# Altium PCB 400501.PcbDoc (part 1 of 4) (continued)
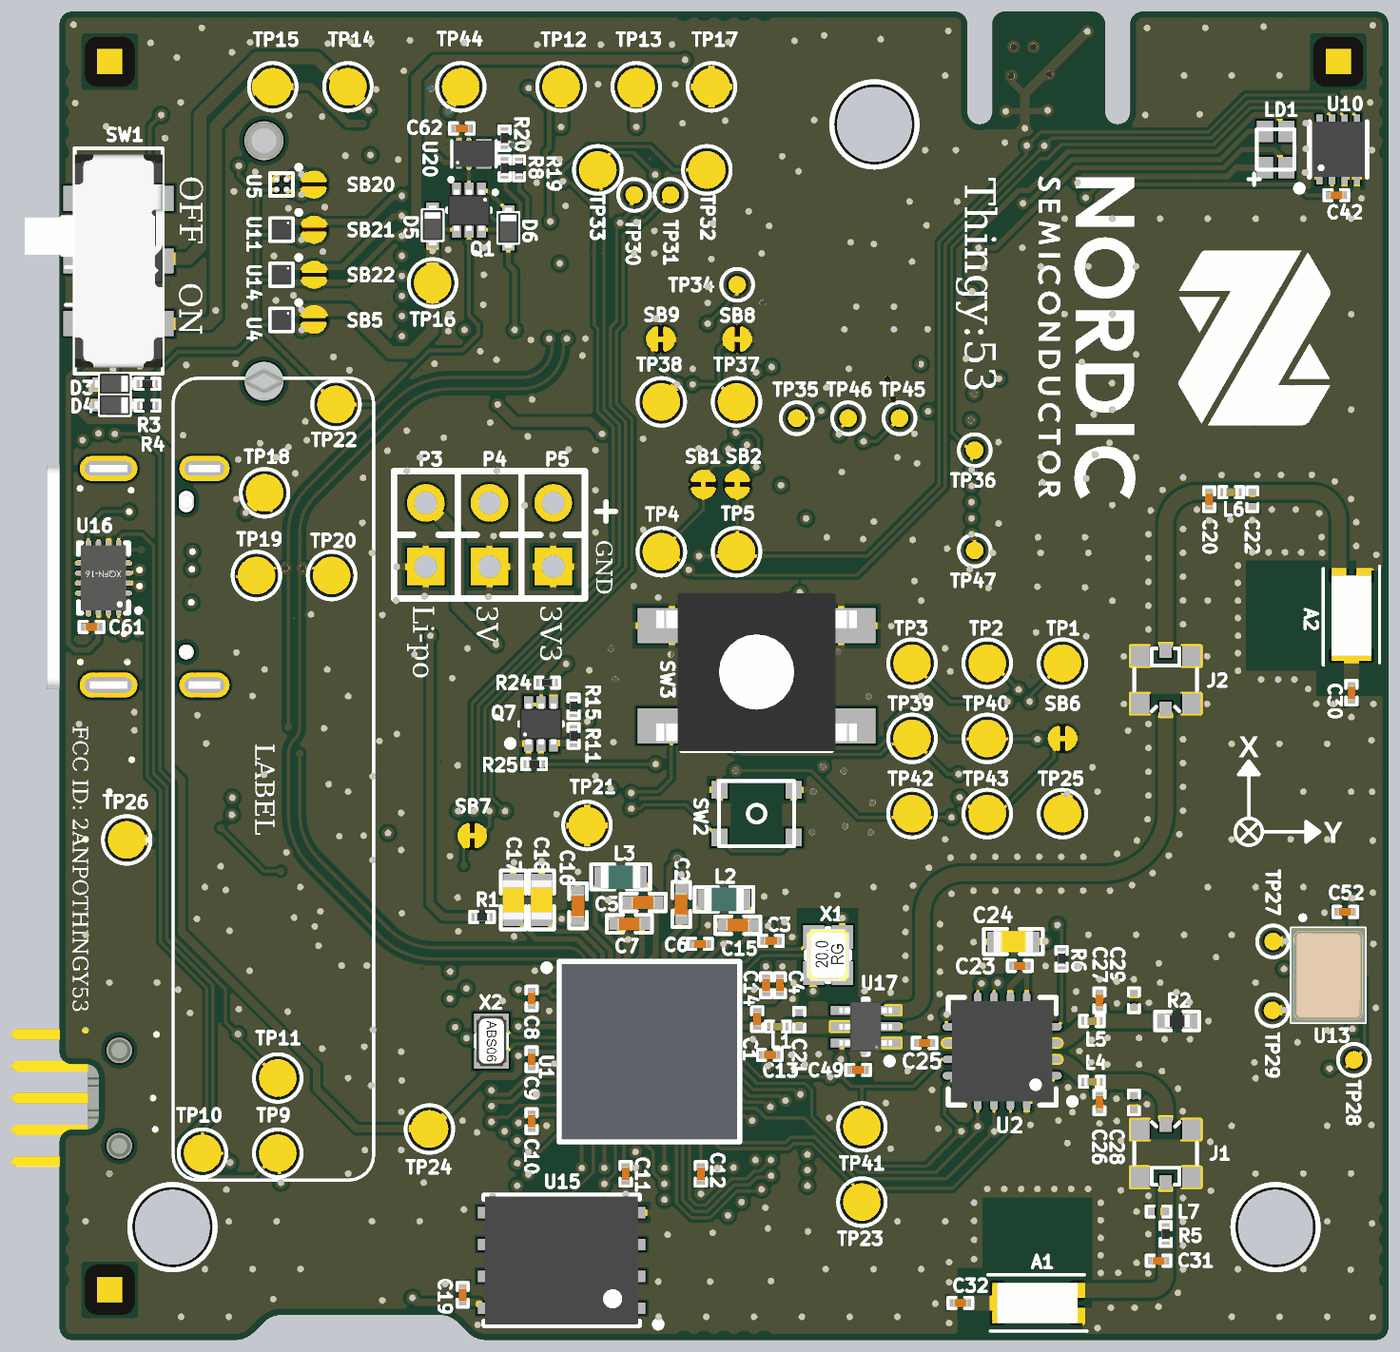
[diagram p7: 3D render of the assembled board from above, using the file's embedded part models]
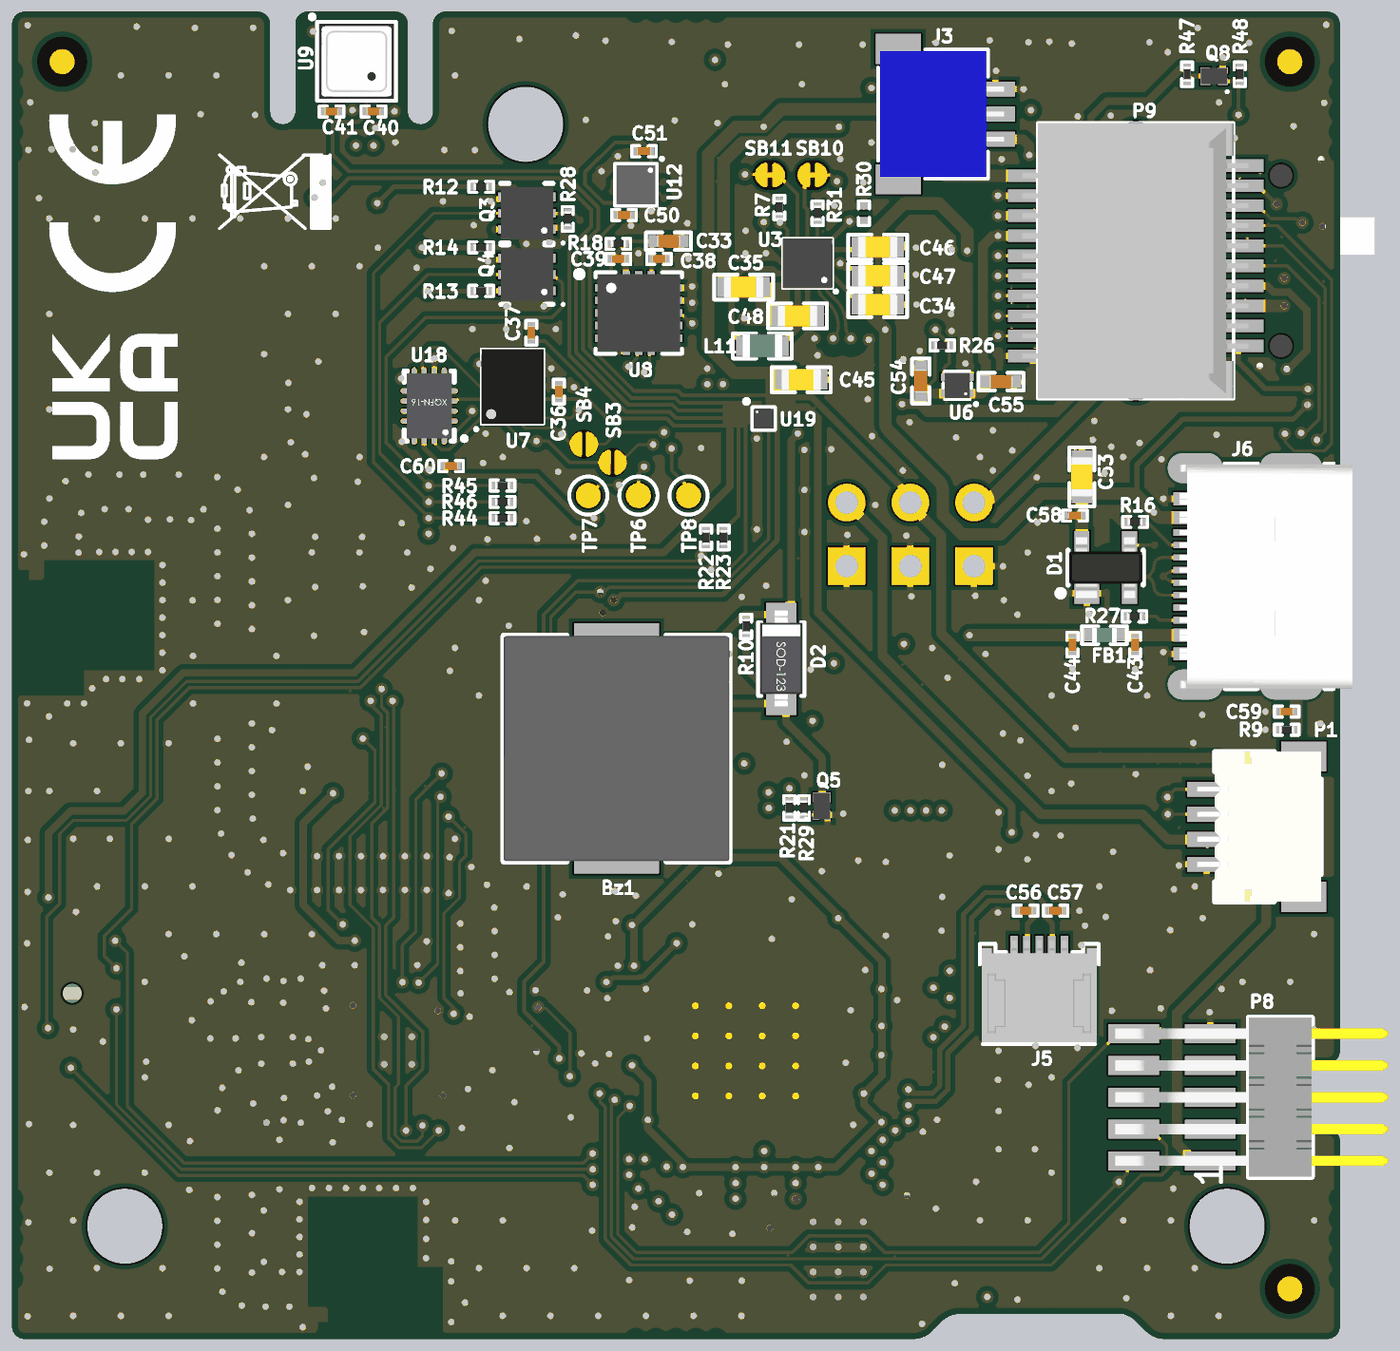
[diagram p8: 3D render of the assembled board from below, using the file's embedded part models]

## Layer stack, top to bottom
Top Solder: solder mask 0.05, Solder Resist Halogen-Free, Dk 3.4
Top Layer: signal copper 0.035
Dielectric1: prepreg 0.074, FR4 Halogen-Free, Dk 3.9
Mid-Layer 1: signal copper 0.035
Dielectric2: core 1.23, FR4 Halogen-Free, Dk 3.9
Mid-Layer 2: signal copper 0.035
Dielectric3: prepreg 0.074, FR4 Halogen-Free, Dk 3.9
Bottom Layer: signal copper 0.035
Bottom Solder: solder mask 0.05, Solder Resist Halogen-Free, Dk 3.4

## Board outline
0,0.5 ccw(c0.5,0.5) 0.5,0 7,0 7.022,0 ccw(c7.022,1) 7.729,0.293 8.143,0.707 cw(c8.85,0) 8.85,1 15.172,1 cw(c15.172,0) 15.879,0.707 16.293,0.293 ccw(c17,1) 17,0 52.5,0 ccw(c52.5,0.5) 53,0.5 53,52.5 ccw(c52.5,52.5) 52.5,53 43.2,53 ccw(c43.2,52.5) 42.7,52.5 42.7,49 cw(c42.2,49) 41.7,49 41.7,52.5 ccw(c41.2,52.5) 41.2,53 37.7,53 ccw(c37.7,52.5) 37.2,52.5 37.2,49 cw(c36.7,49) 36.2,49 36.2,52.5 ccw(c35.7,52.5) 35.7,53 0.5,53 ccw(c0.5,52.5) 0,52.5 0,11.5 ccw(c0.5,11.5) 0.5,11 1.06,11 cw(c1.06,10.5) 1.56,10.5 1.56,8.9 cw(c1.06,8.9) 1.06,8.4 0.5,8.4 ccw(c0.5,7.9) 0,7.9

## Design rules (kind name [scope] priority, off if disabled: settings)
BoardOutlineClearance BoardOutlineClearance_PWR_SW [InRegionRelative(0,1565,75,1825)] p1: gap=0.004 ignorepadtopadclearanceinfootprint=FALSE
BoardOutlineClearance [(OnLayer('Top Layer') or OnLayer('Bottom Layer') or OnLayer('Mid-Layer 1') or OnLayer('Mid-Layer 2') or OnLayer('Mid-Layer 3') or OnLayer('Mid-Layer 4')) and not Keepout] p2: gap=0.24 ignorepadtopadclearanceinfootprint=FALSE
Clearance USB_Poly_Clearance [(InNamedPolygon('Top Layer-GND')) or (InNamedPolygon('Mid_Layer_1-GND')) or (InNamedPolygon('Mid_Layer_2-GND')) or (InNamedPolygon('Mid_Layer_1-AGND') or InNamedPolygon('Bottom_Layer-GND')) vs InAnyDifferentialPair] p1: gap=0.5 ignorepadtopadclearanceinfootprint=FALSE
Clearance "Diff_Pair_Clearance_Other _Diffpair" [InAnyDifferentialPair and (IsArc or IsTrack)] p2: gap=0.2 ignorepadtopadclearanceinfootprint=FALSE
Clearance Diff_Pair_Clearance_Not_Diffpair [InAnyDifferentialPair and (IsArc or IsTrack) vs not InAnyDifferentialPair] p3: gap=0.125 ignorepadtopadclearanceinfootprint=FALSE
Clearance Microvia_Clearance [AsMM(ViaDiameter) = 0.3 vs AsMM(ViaDiameter) = 0.3] p4: gap=0.1 ignorepadtopadclearanceinfootprint=FALSE
Clearance "NPTH clearance_MIC" [(Not PadIsPlated And HoleSize > 0) and InRegionRelative(1960,500,2025,575)] p5: gap=0.1 ignorepadtopadclearanceinfootprint=FALSE
Clearance "nPM clearance" [IsTrack and InRegionRelative(1075,1782,1140,1845) vs IsPad] p6: gap=0.12 ignorepadtopadclearanceinfootprint=FALSE
Clearance "NPTH clearance" [Not PadIsPlated And HoleSize > 0] p7: gap=0.22 ignorepadtopadclearanceinfootprint=FALSE
Clearance RF_Clerance [InNetClass('RF')] p8: gap=0.125 ignorepadtopadclearanceinfootprint=FALSE
Clearance Polygon_Clearance [(InNamedPolygon('Top Layer-GND')) or (InNamedPolygon('Mid_Layer_1-GND')) or (InNamedPolygon('Mid_Layer_2-GND')) or (InNamedPolygon('Mid_Layer_3-GND')) or (InNamedPolygon('Mid_Layer_4-GND')) or (InNamedPolygon('Mid_Layer_1-AGND') or InNamedPolygon('Bottom_Layer-GND'))] p9: gap=0.2 ignorepadtopadclearanceinfootprint=FALSE
Clearance [All] p10: gap=0.125 ignorepadtopadclearanceinfootprint=FALSE
ComponentClearance [All] p1 off: gap=0.254 collisioncheckmode=3 verticalgap=0.254 showdistances=FALSE
DiffPairsRouting [InAnyDifferentialPair] p1: maxlimit=0.328 minlimit=0.305 mostfreqgap=0.328 toplayer_mingap=0.328 toplayer_minwidth=0.125 toplayer_maxwidth=0.125 toplayer_prefwidth=0.125 midlayer1_maxgap=0.305 midlayer1_prefgap=0.305 midlayer1_minwidth=0.125 midlayer1_maxwidth=0.125 midlayer1_prefwidth=0.125 midlayer2_maxgap=0.305 midlayer2_prefgap=0.305 midlayer2_minwidth=0.125 midlayer2_maxwidth=0.125 midlayer2_prefwidth=0.125 bottomlayer_mingap=0.328 bottomlayer_minwidth=0.125 bottomlayer_maxwidth=0.125 bottomlayer_prefwidth=0.125 impedanceprofiledriven=TRUE impedanceprofileid={5B1566C1-CBA1-49E5-B85F-E033832E74BB} impedanceprofilevalue=90.000000 maxuncoupledlength=12.7
FabricationTestPointUsage TestPointUsage [All] p1: valid=0 allowmultiple=FALSE
FabricationTestpoint Testpoint [All] p1: side=3 testpointundercomponent=TRUE minsize=1.016 maxsize=2.54 preferedsize=1.524 minholesize=0 maxholesize=1.016 preferedholesize=0.813 testpointgrid=0.025 allowsidetop=TRUE allowsidebottom=TRUE usegrid=TRUE gridtolerance=0
Height [All] p1 off: minheight=0 maxheight=25.4 prefheight=12.7
HoleSize HoleSize_µVia [((StartLayer = 'Top Layer') and (StopLayer = 'Mid-Layer 1')) or ((StartLayer = ' Mid-Layer 2') and (StopLayer = 'Bottom Layer'))] p1: absolutevalues=TRUE maxlimit=0.1 minlimit=0.1 maxpercent=80.000 minpercent=20.000
HoleSize HoleSize_TH [((StartLayer = 'Top Layer') and (StopLayer = 'Bottom Layer'))] p2: absolutevalues=TRUE maxlimit=5 minlimit=0.25 maxpercent=80.000 minpercent=20.000
HoleSize [All] p3: absolutevalues=TRUE maxlimit=5 minlimit=0.1 maxpercent=80.000 minpercent=20.000
HoleToHoleClearance HoleToHoleClearance_L1L2 [InDrillLayerPair('Top Layer - Mid-Layer 1') vs InDrillLayerPair('Top Layer - Mid-Layer 1')] p1: gap=0.225 allowstackedmicrovias=TRUE
HoleToHoleClearance HoleToHoleClearance_L1L2_L1L3 [InDrillLayerPair('Top Layer - Mid-Layer 1') vs InDrillLayerPair('Top Layer - Mid-Layer 2')] p2: gap=0.225 allowstackedmicrovias=TRUE
HoleToHoleClearance HoleToHoleClearance_L1L3 [InDrillLayerPair('Top Layer - Mid-Layer 2') vs InDrillLayerPair('Top Layer - Mid-Layer 2')] p3: gap=0.225 allowstackedmicrovias=TRUE
HoleToHoleClearance HoleToHoleClearance_L1L3_L3L4 [InDrillLayerPair('Top Layer - Mid-Layer 2') vs InDrillLayerPair('Mid-Layer 2 - Mid-Layer 3')] p4: gap=0.225 allowstackedmicrovias=TRUE
HoleToHoleClearance HoleToHoleClearance_L3L4 [InDrillLayerPair('Mid-Layer 2 - Mid-Layer 3') vs InDrillLayerPair('Mid-Layer 2 - Mid-Layer 3')] p5: gap=0.225 allowstackedmicrovias=TRUE
HoleToHoleClearance HoleToHoleClearance_L3L4_L4L6 [InDrillLayerPair('Mid-Layer 2 - Mid-Layer 3') vs InDrillLayerPair('Mid-Layer 3 - Bottom Layer')] p6: gap=0.225 allowstackedmicrovias=TRUE
HoleToHoleClearance HoleToHoleClearance_L4L6 [InDrillLayerPair('Mid-Layer 3 - Bottom Layer') vs InDrillLayerPair('Mid-Layer 3 - Bottom Layer')] p7: gap=0.225 allowstackedmicrovias=TRUE
HoleToHoleClearance HoleToHoleClearance_L1L2_L1L6 [InDrillLayerPair('Top Layer - Mid-Layer 1') vs InDrillLayerPair('Top Layer - Bottom Layer')] p8: gap=0.275 allowstackedmicrovias=FALSE
HoleToHoleClearance HoleToHoleClearance_L1L3_L1L6 [InDrillLayerPair('Top Layer - Mid-Layer 2') vs InDrillLayerPair('Top Layer - Bottom Layer')] p9: gap=0.275 allowstackedmicrovias=FALSE
HoleToHoleClearance HoleToHoleClearance_L3L4_L1L6 [InDrillLayerPair('Mid-Layer 2 - Mid-Layer 3') vs InDrillLayerPair('Top Layer - Bottom Layer')] p10: gap=0.275 allowstackedmicrovias=FALSE
HoleToHoleClearance HoleToHoleClearance_L4L6_L1L6 [InDrillLayerPair('Mid-Layer 3 - Bottom Layer') vs InDrillLayerPair('Top Layer - Bottom Layer')] p11: gap=0.275 allowstackedmicrovias=FALSE
HoleToHoleClearance HoleToHoleClearance_L1L6 [InDrillLayerPair('Top Layer - Bottom Layer') vs InDrillLayerPair('Top Layer - Bottom Layer')] p12: gap=0.275 allowstackedmicrovias=FALSE
HoleToHoleClearance [All] p13: gap=0.254 allowstackedmicrovias=TRUE
MinimumAnnularRing [All] p1 off: minimumring=0.152
MinimumSolderMaskSliver MinimumSolderMaskSliver_exception [HasFootprint('SOTFL35P100X50-6N') or HasFootprint('DX07S016JA1R1500') or HasFootprint('DFN40P130X120X40-6N') or HasFootprint('BGA4C40P2X2_76X76X62') or HasFootprint('VM3011') or HasFootprint('SOT-953') or HasFootprint('BGA12C40P3X4_139X164X40') or HasFootprint('LED_RGB_0606')] p1: minsoldermaskwidth=0.05
MinimumSolderMaskSliver MinimumSolderMaskSliver_exception_1 [HasFootprint('BGA12C40P3X4_139X164X40') or HasFootprint('LGA50P322X300X114-16N')] p2: minsoldermaskwidth=0.06
MinimumSolderMaskSliver [All] p3: minsoldermaskwidth=0.075
NetAntennae NetAntennae_ANT [InNet('ANT')] p1: netantennaetolerance=40
NetAntennae [All] p2: netantennaetolerance=0
PolygonConnect PolygonConnect_1 [isVia and innet(gnd) or isVia and innet('VDD') or HasFootprint('COAXIAL-SWF') or isVia and innet('VDD_SAM') or IsVia and InNet('VDD_IMCU') or HasFootprint('2 PIN STARPOINT')] p1: connectstyle=Direct reliefconductorwidth=0.254 reliefentries=4 polygonreliefangle="90 Angle" airgapwidth=0.254
PolygonConnect [All] p2: connectstyle=Relief reliefconductorwidth=0.254 reliefentries=4 polygonreliefangle="90 Angle" airgapwidth=0.2
RoutingVias RoutingVias_TH [InDrillLayerPair('Top Layer - Bottom Layer')] p1: holewidth=0.25 width=0.5 viastyle="Through Hole" minholewidth=0.1 minwidth=0.3 maxholewidth=0.305 maxwidth=0.61 viatemplateguid#1={9961AA3A-8CFC-44F9-8DAD-0443DB35AFF9} viatemplatename#1=v50h25
RoutingVias RoutingVias_ [InDrillLayerPair('Top Layer - Mid-Layer 1') or InDrillLayerPair('Mid-Layer 2 - Bottom Layer')] p2: holewidth=0.25 width=0.5 viastyle="Through Hole" minholewidth=0.1 minwidth=0.3 maxholewidth=0.305 maxwidth=0.61 viatemplateguid#1={C26054F7-27DB-47C4-85BE-AE7BAE02D57D} viatemplatename#1=v30h10
SilkToSolderMaskClearance SilkscreenOverComponentPads [IsPad] p1: minsilkscreentomaskgap=0.254 clearancetoexposedcopper=TRUE
SolderMaskExpansion SolderMaskExpansion_1 [IsVia] p1: expansion=0.102 istentingtop=TRUE
SolderMaskExpansion SolderMaskExpansion_0.05mm [HasFootprint('SOT-953') or HasFootprint('AQFN40P700X700X85_HS-99N') or HasFootprint('QFN40P600X600X90-48N') or HasFootprint('SON40P100X60-8N') or HasFootprint('DFN40P130X120X40-6N') or HasFootprint('CL-2025') or HasFootprint('VM3011') or HasFootprint('WE-TPC_4848')or HasFootprint('XQFN40P180X260X50-16N') or HasFootprint('BGA4C40P2X2_76X76X62') or HasFootprint('CL-2025') or HasFootprint('BGA25C40P5X5_200X200X50') or HasFootprint('LGA50P322X300X114-16N')] p2: expansion=0.05 istentingtop=FALSE
SolderMaskExpansion SolderMaskExpansion_0.06mm [HasFootprint('BMM150') or HasFootprint('BGA12C40P3X4_139X164X40') or HasFootprint('FPC_05P-0.5mm-RA-SMD') or HasFootprint('DFN65P200X200X80_HS-6N') or HasFootprint('DFN65P100X40-3L') or HasFootprint('LED_RGB_0606')] p3: expansion=0.06 istentingtop=FALSE
SolderMaskExpansion [All] p4: expansion=0.075 istentingtop=FALSE
UnpouredPolygon [All] p1 off:
Width Width_Diff [(InDifferentialPairClass('All Differential Pairs'))] p1: maxlimit=0.125 minlimit=0.125 preferedwidth=0.125 impedanceprofiledriven=TRUE impedanceprofileid={4FCF09C3-A2DF-4130-8018-8E5016A9A395} impedanceprofilevalue=45.000000 minimp=50.000000 maximp=50.000000 favimp=50.000000
Width Width_RF [InNetClass('RF')] p2: maxlimit=0.6 minlimit=0.085 preferedwidth=0.6 toplayer_minwidth=0.6 midlayer1_prefwidth=0.09 midlayer2_prefwidth=0.09 bottomlayer_minwidth=0.6 impedanceprofiledriven=TRUE impedanceprofileid={09E78D00-2ABD-4E7F-862B-7F6FA97F3BEC} impedanceprofilevalue=50.000000 minimp=50.000000 maximp=50.000000 favimp=50.000000 checkconnectedcopper=TRUE
Width [All] p3: maxlimit=0.5 minlimit=0.125 preferedwidth=0.125
19 further rules are at their usual default settings.

## Classes and differential pairs
net class RF: A1 A2 ANT1 ANT2 NetA1_3 NetA2_3 RF RF1 RF2 RF2_SW RF_O1 RF_O1_SW RF_O2 TRX
differential pair D: +D_P -D_N

## Components (designator, comment, footprint, x,y, rotation, side; value= is the part's Value field where it differs from the comment)
A1 "WLA.01" WLA.01 39,1.475 r180 top
A2 "WLA.01" WLA.01 51.525,28.9 r270 top
Bz1 "Piezo_4kHz" Buzzer_PKMCS0909 28.875,23.575 r270 bottom locked
C1 "0.7pF" CAPC0603X03L_C#1 27.825,12.8 r270 top
C2 "1.0µF" CAPC1005X04L 24.8,17.375 r90 top
C3 "1.0µF" CAPC1005X04L 27.05,16.55 r0 top
C4 "2.2nF" CAPC0603X03L_C#2 28.725,14.15 r90 top
C5 "1.0µF" CAPC1005X04L 23.275,17.455 r0 top
C6 "100nF" CAPC0603X03L_C#2 25.544,15.8 r0 top
C7 "1.0µF" CAPC1005X04L 22.725,16.605 r0 top
C8 "100nF" CAPC0603X03L_C#2 18.825,13.625 r270 top
C9 "100nF" CAPC0603X03L_C#2 18.825,11.2 r270 top
C10 "100nF" CAPC0603X03L_C#2 18.825,8.725 r270 top
C11 "100nF" CAPC0603X03L_C#2 22.577,6.625 r270 top
C12 "100nF" CAPC0603X03L_C#2 25.575,6.625 r270 top
C13 "100nF" CAPC0603X03L_C#2 28.325,11.375 r0 top
C14 "100nF" CAPC0603X03L_C#2 28.175,14.15 r270 top
C15 "100nF" CAPC0603X03L_C#2 28.375,15.925 r0 top
C16 "1.0µF" CAPC1005X04L 20.675,17.325 r270 top
C17 "4.7µF" CAPC1608X06L 18.1,17.555 r90 top
C18 "4.7µF" CAPC1608X06L 19.225,17.555 r90 top
C19 "100nF" CAPC0603X03L_C#2 16.075,1.8 r270 top
C20 "1.5pF" CAPC0603X03L_C#3 45.85,33.54 r90 top
C21 "N.C." CAPC0603X03L_C_NC#1 29.5,12.775 r270 top
C22 "N.C." CAPC0603X03L_C_NC#1 47.575,33.54 r90 top
C23 "100nF" CAPC0603X03L_C#2 38.3,14.925 r0 top
C24 "10µF" CAPC1608X06L 38.04,15.894 r0 top
C25 "1.0pF" CAPC0603X03L_C#4 34.5,11.85 r0 top
C26 "1.2pF" CAPC0603X03L_C#1 41.475,9.475 r90 top
C27 "1.2pF" CAPC0603X03L_C#1 41.475,13.55 r270 top
C28 "N.C." CAPC0603X03L_C_NC#2 42.85,9.475 r90 top
C29 "N.C." CAPC0603X03L_C_NC#2 42.85,13.55 r270 top
C30 "6.8pF" CAPC0603X03L_C#5 51.525,25.825 r270 top
C31 "1.8pF" CAPC0603X03L_C#3 43.834,3.159 r0 top
C32 "9.5pF" CAPC0603X03L_C#2 35.925,1.475 r180 top
C33 "1.0µF" CAPC1005X04L 26.8,43.832 r0 bottom
C34 "2.2µF" CAPC1608X06L 18.45,41.3 r0 bottom
C35 "10µF" CAPC1608X06L 23.8,42 r0 bottom
C36 "100nF" CAPC0603X03L_C#2 31.175,37.825 r270 bottom
C37 "100nF" CAPC0603X03L_C#2 32.275,40.175 r270 bottom
C38 "100nF" CAPC0603X03L_C#2 27.175,43.125 r0 bottom
C39 "100nF" CAPC0603X03L_C#2 28.8,43.125 r0 bottom
C40 "100nF" CAPC0603X03L_C#2 38.575,49.011 r0 bottom
C41 "100nF" CAPC0603X03L_C#2 40.25,49.011 r0 bottom
C42 "100nF" CAPC0603X03L_C#2 50.925,45.675 r180 top
C43 "10nF" CAPC0603X03L_C#2 8.175,27.725 r90 bottom
C44 "100nF" CAPC0603X03L_C#2 10.675,27.725 r90 bottom
C45 "4.7µF" CAPC1608X06L 21.5,38.3 r0 bottom
C46 "4.7µF" CAPC1608X06L 18.45,43.6 r0 bottom
C47 "10µF" CAPC1608X06L 18.45,42.45 r0 bottom
C48 "10µF" CAPC1608X06L 21.65,40.85 r180 bottom
C49 "100nF" CAPC0603X03L_C#6 31.85,10.775 r180 top
C50 "100nF" CAPC0603X03L_C#2 28.575,44.875 r0 bottom
C51 "100nF" CAPC0603X03L_C#2 27.775,47.425 r180 bottom
C52 "100nF" CAPC0603X03L_C#2 51.275,17.075 r0 top
C53 "10µF" CAPC1608X06L 10.3,34.425 r270 bottom
C54 "1.0µF" CAPC1005X04L 16.725,38.25 r90 bottom
C55 "1.0µF" CAPC1005X04L 13.525,38.225 r180 bottom
C56 "390pF" CAPC0603X03L_C#2 12.544,17.1 r0 bottom
C57 "390pF" CAPC0603X03L_C#2 11.35,17.1 r0 bottom
C58 "100nF" CAPC0603X03L_C#2 10.575,32.875 r180 bottom
C59 "4.7nF" CAPC0603X03L_C#2 2.125,25.05 r0 bottom
C60 "100nF" CAPC0603X03L_C#6 35.475,34.85 r180 bottom
C61 "100nF" CAPC0603X03L_C#6 1.275,28.45 r180 top
C62 "2.2nF" CAPC0603X03L_C#6 16.04,48.337 r180 top
D1 "PRTR5V0U2X" SOT190P230X110-4L 9.35,30.8 r90 bottom
D2 "1N4148W" SOD-123-DIODE 22.3,27.15 r270 bottom
D3 "BAS716" SOD-523 2.204,38.15 r180 top
D4 "BAS716" SOD-523 2.204,37.3 r180 top
D5 "BAS716" SOD-523 14.875,44.475 r270 top
D6 "BAS716" SOD-523 17.9,44.375 r270 top
FB1 "120R/0.55A" INDC1005X04L 9.4,28.1 r0 bottom
Fid1 "Fiducial mark" Fiducial_Round-Square 2,2 r0 top value=N.A.
Fid2 "Fiducial mark" Fiducial_Round-Square 51,51 r0 top value=N.A.
Fid3 "Fiducial mark" Fiducial_Round-Square 2,51 r90 top value=N.A.
H1 "3mm,N.P" HOLE_NP_3MM 32.5,48.5 r180 top locked
H2 "3mm,N.P" HOLE_NP_3MM 4.5,4.5 r0 top
H3 "3mm,N.P" HOLE_NP_3MM 48.5,4.5 r270 top
J1 "MM8130-2600" COAXIAL-SWF 44.117,7.439 r0 top
J2 "MM8130-2600" COAXIAL-SWF 44.117,26.336 r180 top
J3 "HDR-3, 1mm" SM03B-SRSS-TB 13.75,48.908 r270 bottom locked
J4 "Net tie" "2 PIN STARPOINT"#1 23.475,40.975 r180 bottom net-tie
J5 "FPC 0.5mm RA SMD" FPC_05P-0.5mm-RA-SMD 13,15.7 r180 bottom locked
J6 "USB-C 2.0" DX07S016JA1R1500 5.05,30.45 r90 bottom locked
L1 "2.2nH" INDC0603X03L_C 28.65,12.5 r180 top
L2 "10µH" INDC1608X06L 26.5,17.575 r180 top
L3 "10µH" INDC1608X06L 22.375,18.475 r180 top
L4 "1.9nH" INDC0603X03L_C 41.175,10.3 r0 top
L5 "1.9nH" INDC0603X03L_C 41.175,12.725 r0 top
L6 "1.8nH" INDC0603X03L_C 46.725,33.825 r0 top
L7 "N.C." INDC0603X03L_C_NC 43.834,5.125 r0 top
L11 "2.2µH" INDC1608X06L 23.05,39.65 r180 bottom
LABEL "8x32mm" LabelSilk_8x32 4.525,38.375 r270 top (schematic designator LABEL1)
LD1 "LED RGB" LED_RGB_0606 48.5,47.5 r0 top locked
P1 "SM04B-SRSS-TB" SM04B-SRSS-TB 1.45,20.45 r90 bottom locked
P3 "Pin List 1x2" LIST_1x2-NC 14.605,32.126 r90 top
P4 "Pin List 1x2" LIST_1x2-NC 17.145,32.126 r90 top
P5 "Pin List 1x2" LIST_1x2-NC 19.685,32.126 r90 top
P8 "Pin Header 2x5" HDR_2x5-SMD-1.27mm-ANG 6.7,9.65 r90 bottom locked
P9 "Card Edge, 0.8mm" 10056847-101LF 8.15,43.05 r90 bottom locked
Q1 "DMP2004VK" SOTFL50P162X60-6N 16.329,45.075 r270 top
Q3 "DMN1029UFDB" DFN65P200X60_HS-6N 32.45,44.95 r0 bottom
Q4 "DMN1029UFDB" DFN65P200X60_HS-6N 32.45,42.5 r0 bottom
Q5 "RV2C010UNT2L" DFN65P100X40-3L#1 20.675,21.275 r90 bottom
Q7 "DMC2400UV" SOTFL50P162X60-6N 19.2,24.575 r90 top
Q8 "RV2C010UNT2L" DFN65P100X40-3L#2 5.025,50.425 r0 bottom
R1 "2R2" RESC0603X03L_C#1 16.85,16.875 r0 top
R2 "49R9" RESC1005X04L 44.575,12.731 r180 top
R3 "100k" RESC0603X03L_C#1 3.5,38.15 r180 top
R4 "100k" RESC0603X03L_C#1 3.504,37.275 r180 top
R5 "0R" RESC0603X03L_C#2 44.117,4.225 r270 top
R6 "33k" RESC0603X03L_C#1 39.962,15.21 r270 top
R7 "1M0" RESC0603X03L_C#1 22.375,45.175 r270 bottom
R8 "110k" RESC0603X03L_C#1 17.75,46.75 r270 top
R9 "1M0" RESC0603X03L_C#1 2.125,24.325 r0 bottom
R10 "1k" RESC0603X03L_C#1 23.7,28.45 r90 bottom
R11 "1M5" RESC0603X03L_C#1 20.5,24.1 r270 top
R12 "100R" RESC0603X03L_C#1 34.275,46 r0 bottom
R13 "39R" RESC0603X03L_C#1 34.275,41.85 r0 bottom
R14 "39R" RESC0603X03L_C#1 34.275,43.587 r0 bottom
R15 "180k" RESC0603X03L_C#1 20.5,25.275 r270 top
R16 "5k1" RESC0603X03L_C#1 8.175,32.625 r180 bottom
R18 "1k" RESC0603X03L_C#1 28.8,43.725 r180 bottom
R19 "160k" RESC0603X03L_C#1 18.325,46.744 r270 top
R20 "82k" RESC0603X03L_C#1 17.75,47.95 r270 top
R21 "1k" RESC0603X03L_C#1 21.975,21.2 r270 bottom
R22 "4k7" RESC0603X03L_C#1 25.3,32 r270 bottom
R23 "4k7" RESC0603X03L_C#1 24.6,32 r270 bottom
R24 "1M0" RESC0603X03L_C#1 19.45,26.225 r180 top
R25 "1M0" RESC0603X03L_C#1 18.925,22.975 r0 top
R26 "1M0" RESC0603X03L_C#1 15.875,39.675 r0 bottom
R27 "5k1" RESC0603X03L_C#1 8.2,28.85 r180 bottom
R28 "1M0" RESC0603X03L_C#1 30.825,44.725 r90 bottom
R29 "1M0" RESC0603X03L_C#1 21.4,21.2 r270 bottom
R30 "N.C." RESC0603X03L_C_NC 19,44.95 r270 bottom
R31 "0R" RESC0603X03L_C#1 20.85,44.95 r270 bottom
R44 "1M0" RESC0603X03L_C#1 33.425,32.775 r0 bottom
R45 "1M0" RESC0603X03L_C#1 33.425,34.075 r0 bottom
R46 "1M0" RESC0603X03L_C#1 33.425,33.425 r0 bottom
R47 "1k" RESC0603X03L_C#1 6.1,50.5 r270 bottom
R48 "10M" RESC0603X03L_C#1 4,50.5 r90 bottom
SB1 "Solderbridge" Solderbridge_Shorted#1 25.675,34.134 r270 top net-tie
SB2 "Solderbridge" Solderbridge_Shorted#1 27.028,34.134 r270 top net-tie
SB3 "Solderbridge" Solderbridge#1 29.025,35 r180 bottom
SB4 "Solderbridge" Solderbridge#1 30.175,35.725 r180 bottom
SB5 "Solderbridge" Solderbridge#2 10.15,40.7 r270 top
SB6 "Solderbridge" Solderbridge_Shorted#1 40,24 r0 top net-tie
SB7 "Solderbridge" Solderbridge_Shorted#2 16.456,20.121 r0 top net-tie
SB8 "Solderbridge" Solderbridge_Shorted#1 27.025,39.936 r0 top net-tie
SB9 "Solderbridge" Solderbridge_Shorted#1 23.975,39.936 r0 top net-tie
SB10 "Solderbridge" Solderbridge_Shorted#3 21.05,46.475 r0 bottom net-tie
SB11 "Solderbridge" Solderbridge_Shorted#3 22.75,46.475 r180 bottom net-tie
SB20 "Solderbridge" Solderbridge#3 10.15,46.1 r270 top
SB21 "Solderbridge" Solderbridge#3 10.15,44.3 r270 top
SB22 "Solderbridge" Solderbridge#4 10.15,42.5 r270 top
ST1 "Net tie" "2 PIN STARPOINT"#2 21.9,35.113 r270 bottom net-tie
ST2 "Net tie" "2 PIN STARPOINT"#3 21.6,37.2 r0 bottom net-tie
ST3 "Net tie" "2 PIN STARPOINT"#3 23.1,37.675 r180 bottom net-tie
ST4 "Net tie" "2 PIN STARPOINT"#3 24.706,36.775 r180 bottom net-tie
ST5 "Net tie" "2 PIN STARPOINT"#3 24.675,37.075 r180 bottom net-tie
ST6 "Net tie" "2 PIN STARPOINT"#3 24.706,36.475 r180 bottom net-tie
ST7 "Net tie" "2 PIN STARPOINT"#3 24.675,37.375 r180 bottom net-tie
ST8 "Net tie" "2 PIN STARPOINT"#3 23.725,36.3 r90 bottom net-tie
ST9 "Net tie" "2 PIN STARPOINT"#3 24.35,36.3 r90 bottom net-tie
SW1 "Switch" Switch-Slide-RA-J-Lead-DPDT-8.5x3.5mm 2.35,43.05 r270 top
SW2 "PB SW" SW_TACTILE_2.6x3.0MM_4-LEAD 27.8,21 r0 top
SW3 "PB SW" Switch-PB-6.2x6.3mm-SMD 27.8,26.5 r0 top locked
TP1 "Ø1.5mm,SMD" TP_SMD_D1.5mm 40,27 r90 top
TP2 "Ø1.5mm,SMD" TP_SMD_D1.5mm 37,27 r90 top
TP3 "Ø1.5mm,SMD" TP_SMD_D1.5mm 34,27 r90 top
TP4 "Ø1.5mm,SMD" TP_SMD_D1.5mm 24,31.45 r0 top
TP5 "Ø1.5mm,SMD" TP_SMD_D1.5mm 27,31.45 r0 top
TP6 "Ø1.0mm,SMD" TP_SMD_D1.0mm 28,33.675 r90 bottom
TP7 "Ø1.0mm,SMD" TP_SMD_D1.0mm 30,33.675 r90 bottom
TP8 "Ø1.0mm,SMD" TP_SMD_D1.0mm 26,33.675 r90 bottom
TP9 "Ø1.5mm,SMD" TP_SMD_D1.5mm 8.7,7.45 r0 top
TP10 "Ø1.5mm,SMD" TP_SMD_D1.5mm 5.7,7.45 r0 top
TP11 "Ø1.5mm,SMD" TP_SMD_D1.5mm 8.7,10.45 r0 top
TP12 "Ø1.5mm,SMD" TP_SMD_D1.5mm 20,50 r0 top
TP13 "Ø1.5mm,SMD" TP_SMD_D1.5mm 23,50 r180 top
TP14 "Ø1.5mm,SMD" TP_SMD_D1.5mm 11.5,50 r0 top
TP15 "Ø1.5mm,SMD" TP_SMD_D1.5mm 8.5,50 r0 top locked
TP16 "Ø1.5mm,SMD" TP_SMD_D1.5mm 14.875,42.175 r0 top